# Altium PCB LAB_B3_209_V2.PcbDoc (part 1 of 4)
Units mm, origin at the board's own origin, x right, y up, seen from the top; angles counter-clockwise.
Board outline 94.69 x 88.04 mm, 4 copper layers (L1 [TOP], L2[GND], L3[SIG], L4[BOT]), stack 1.527 mm thick; 372 components, 284 nets, 1235 pads, 485 vias.
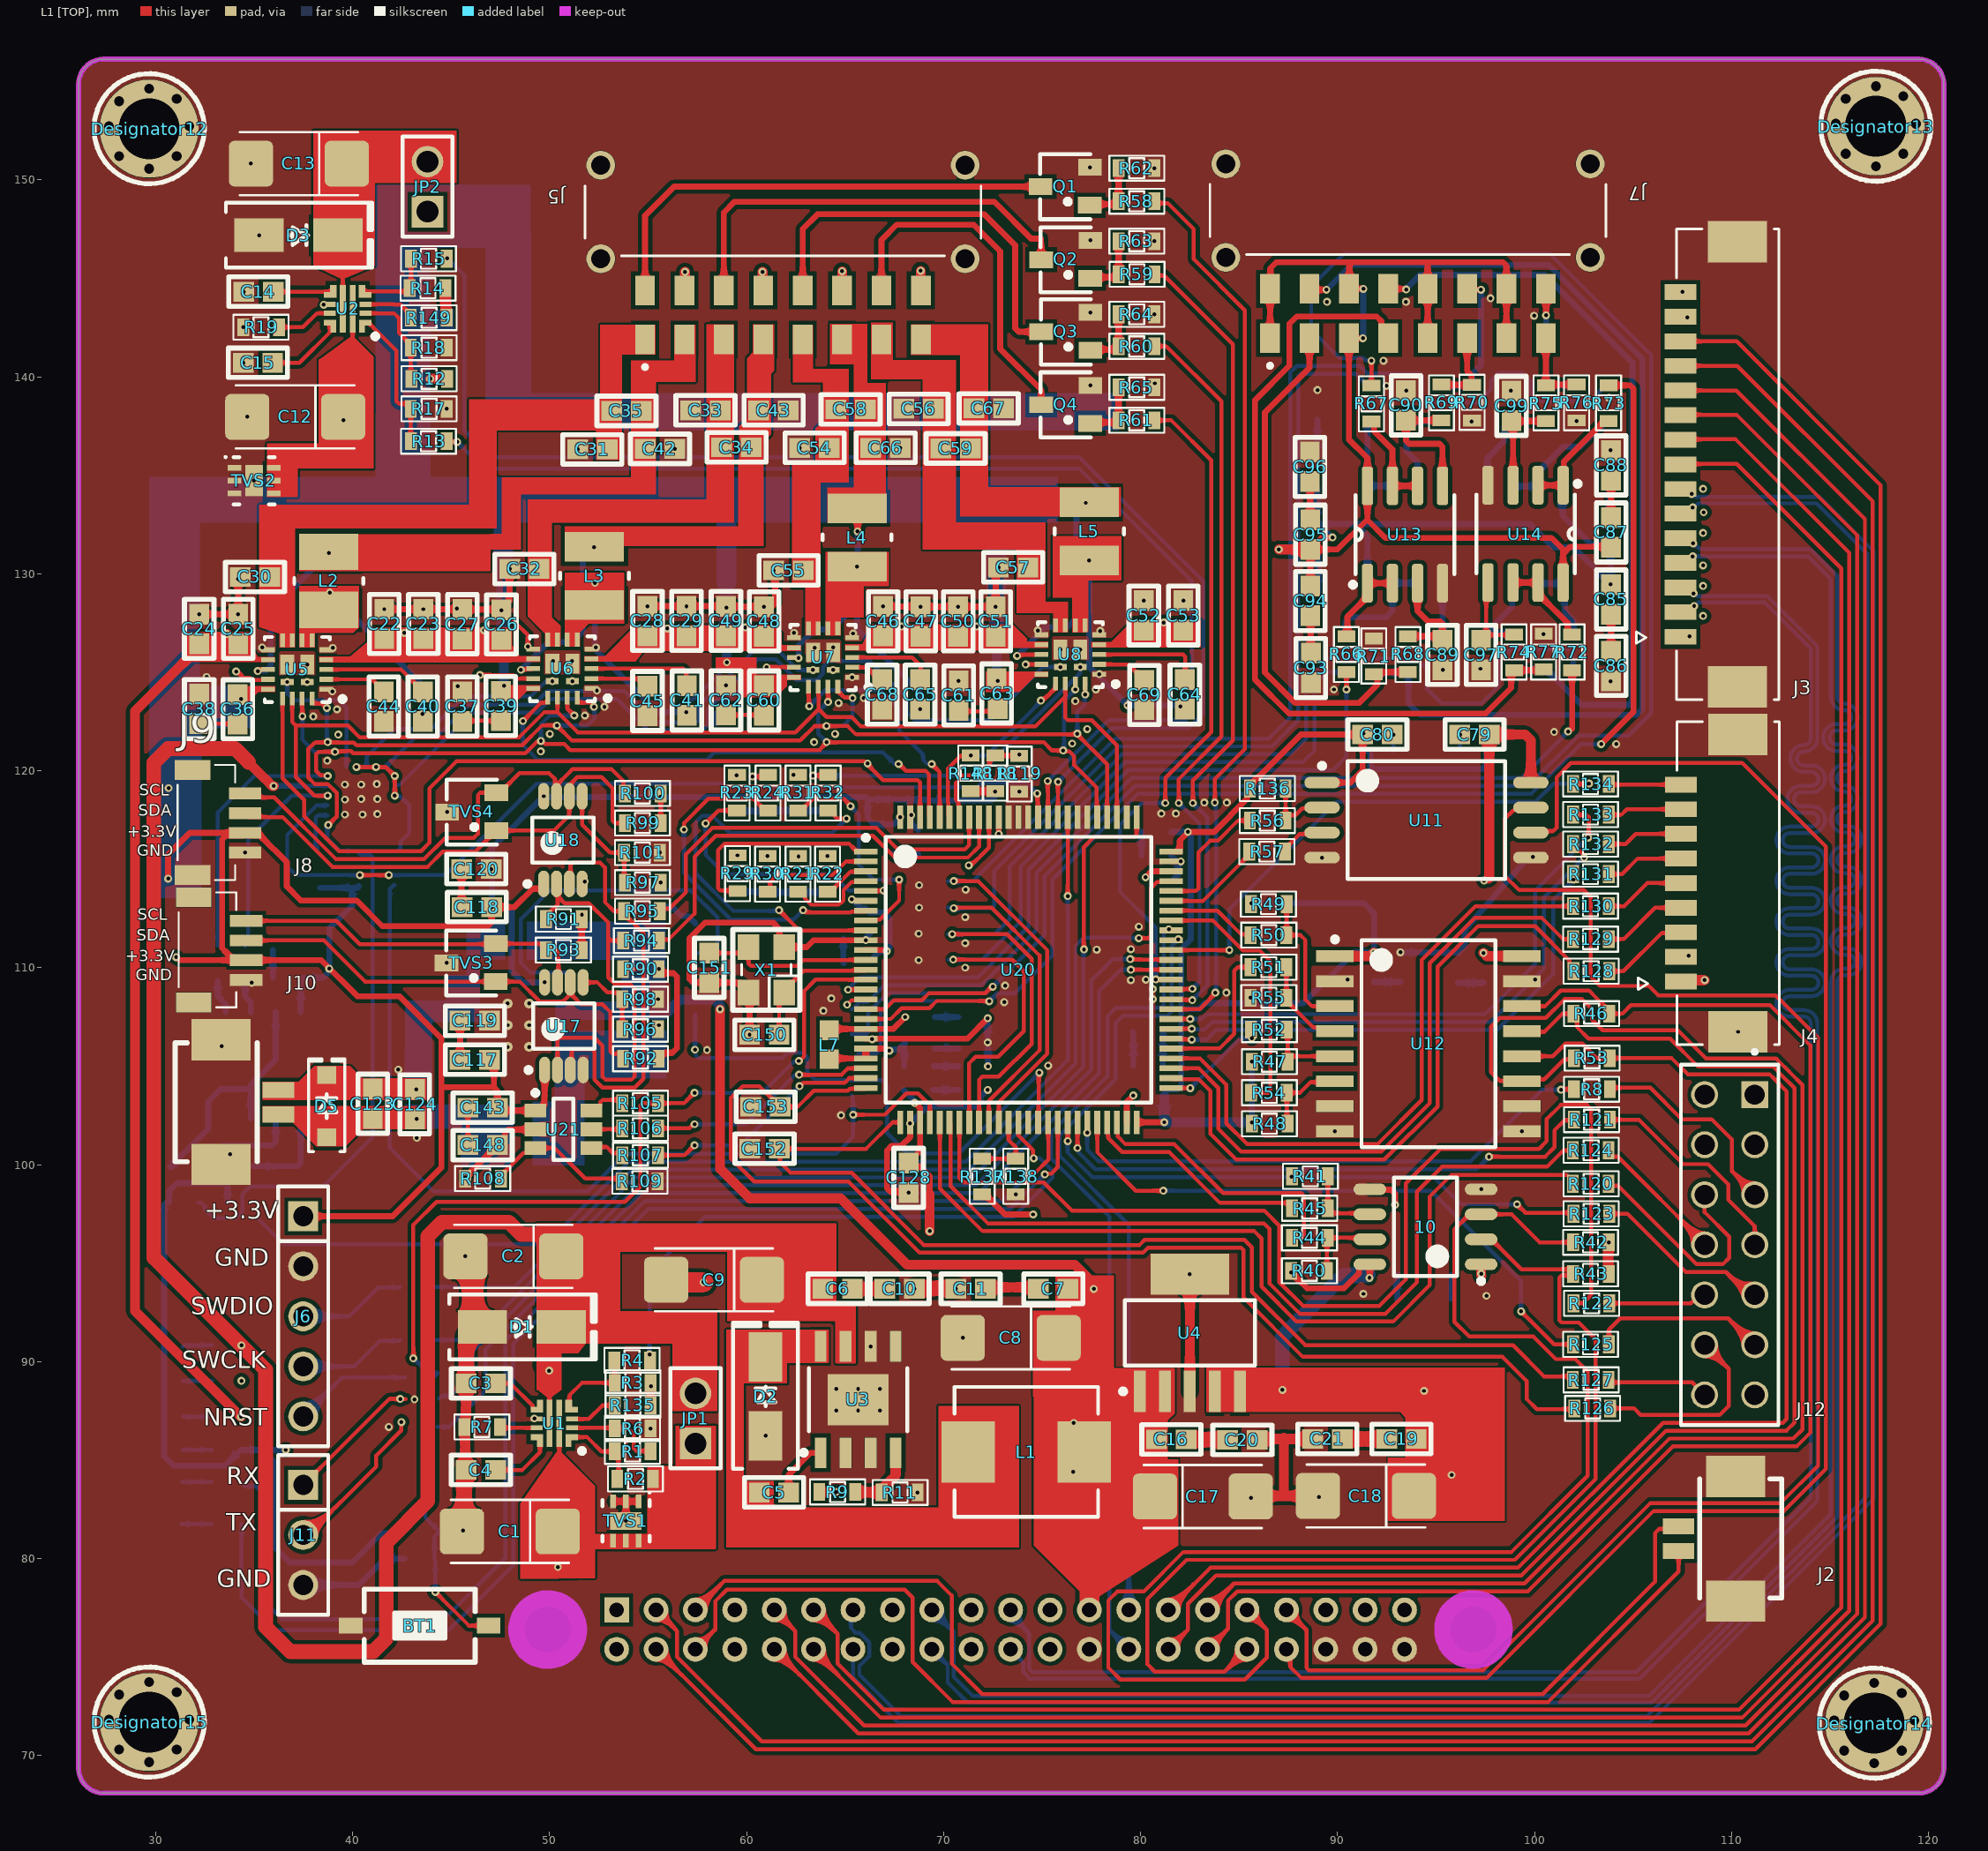
[diagram p0: L1 [TOP] view]
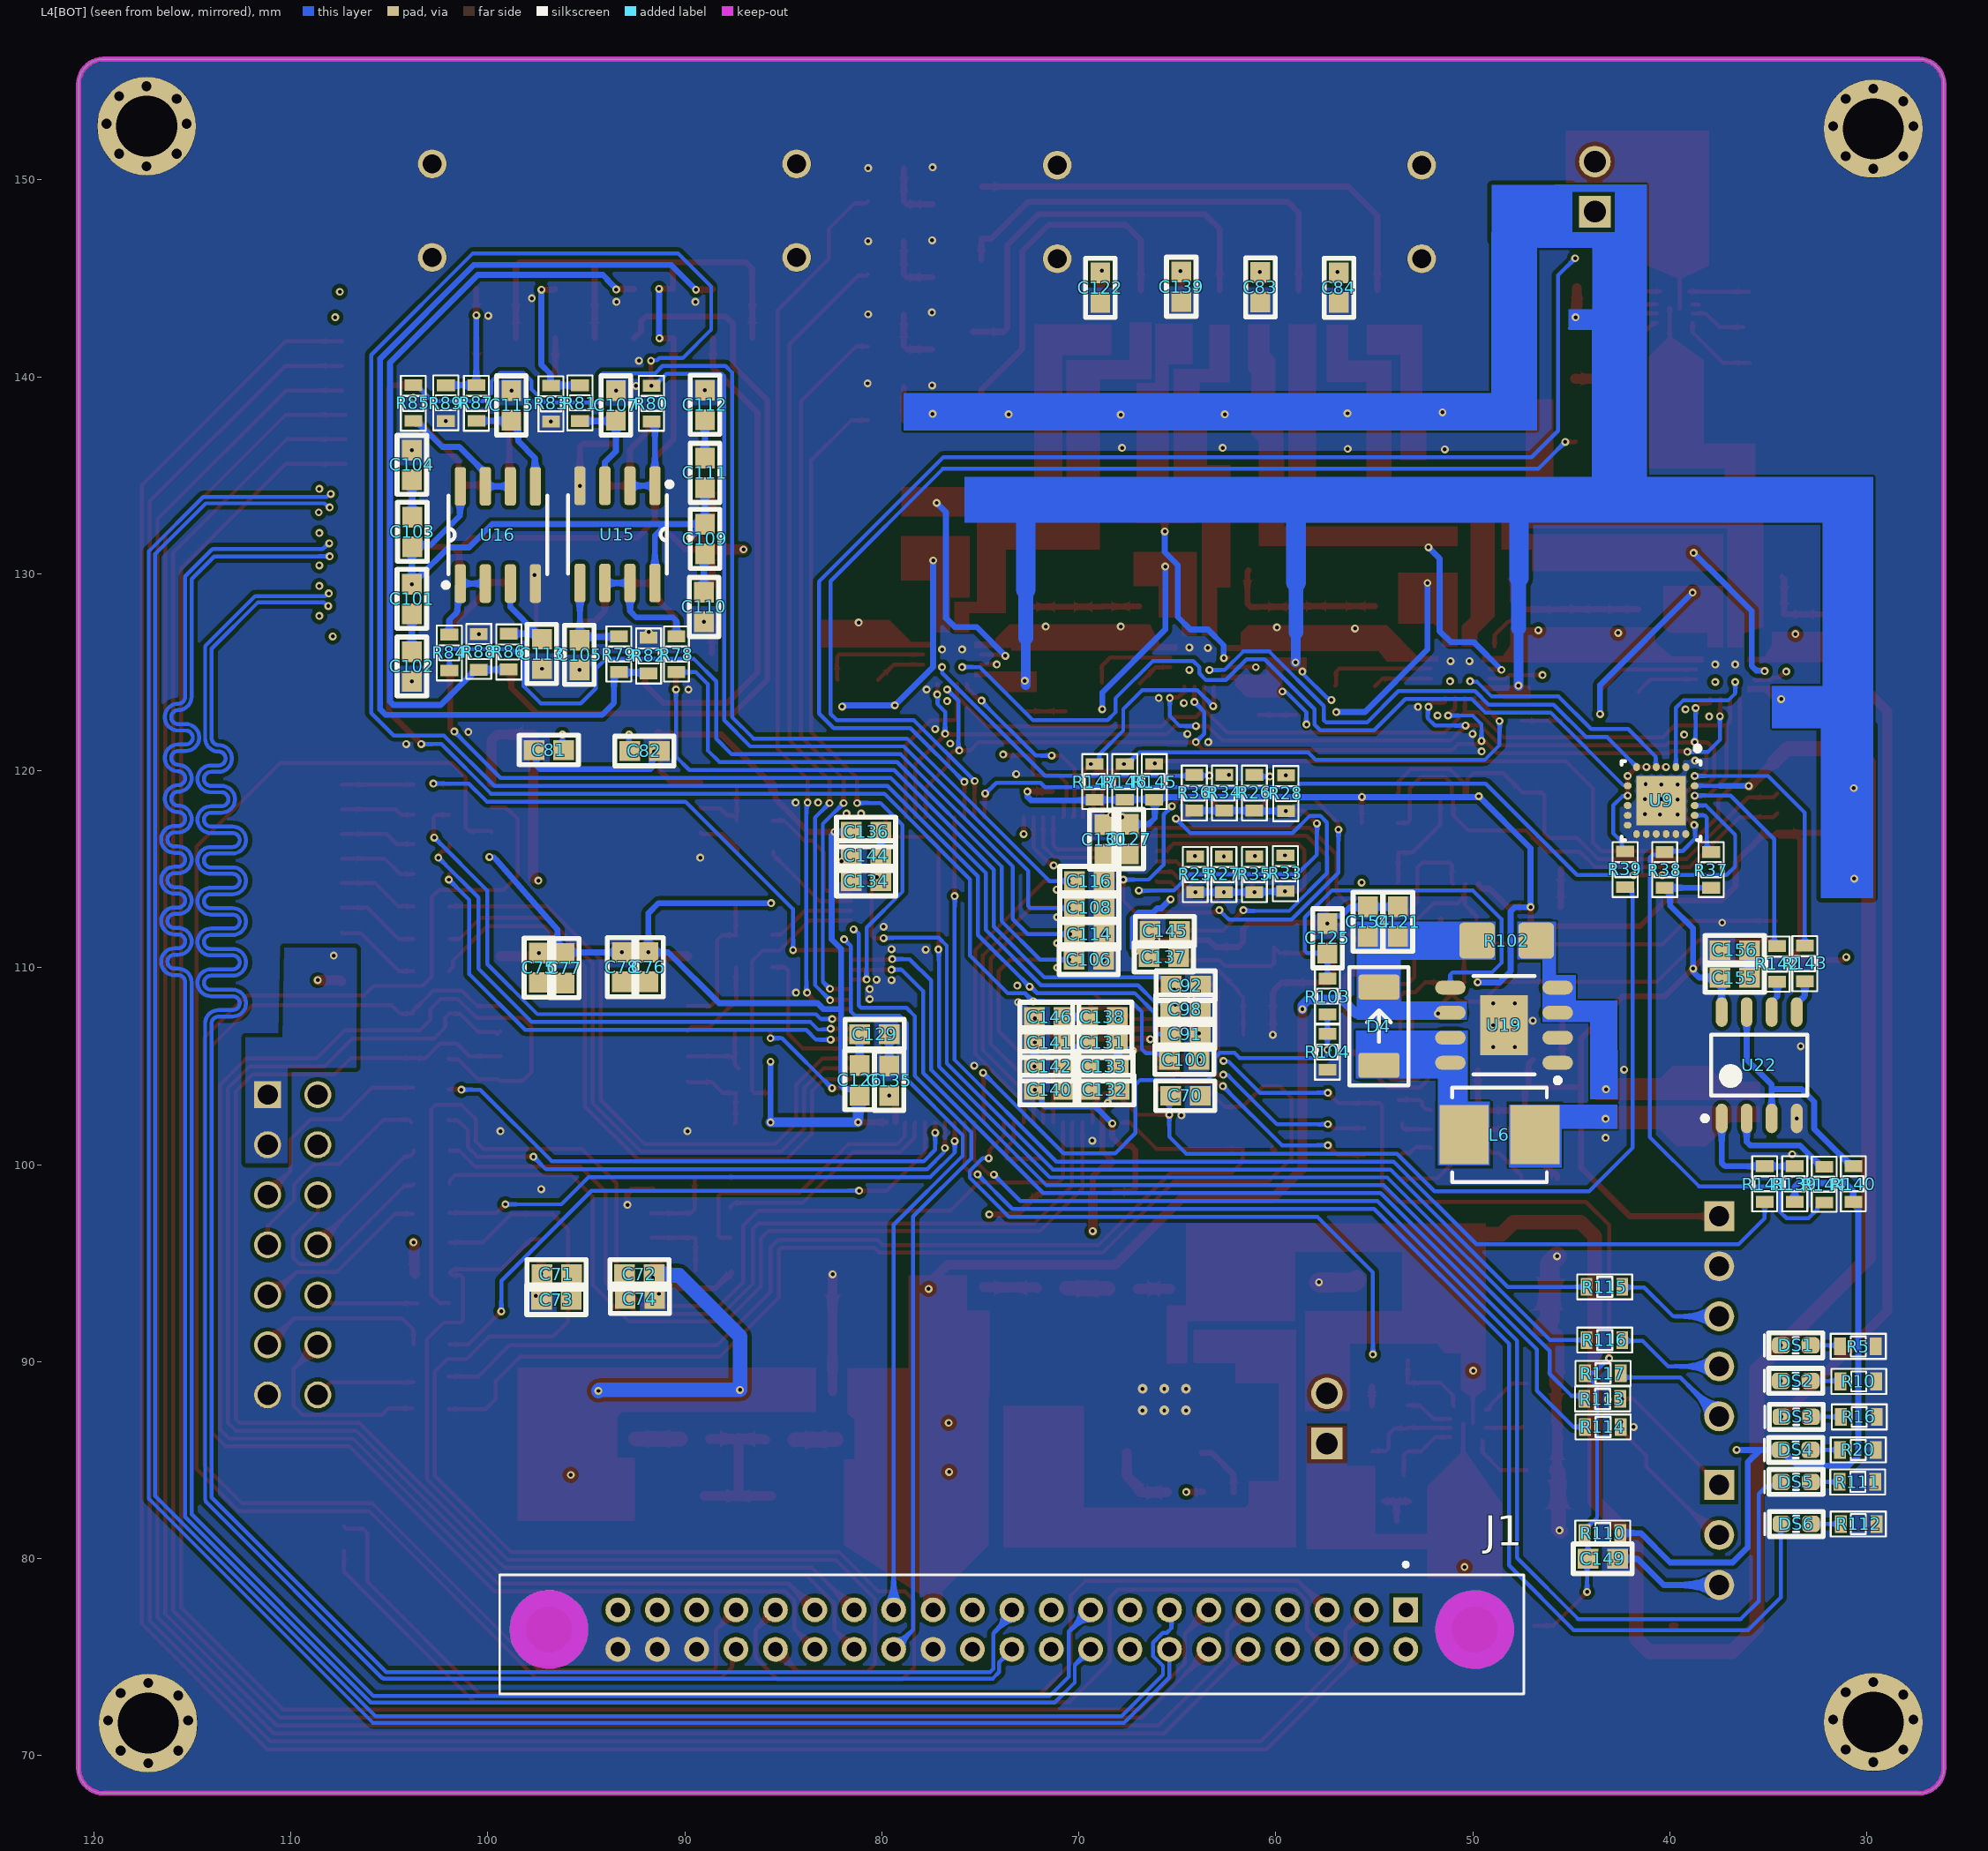
[diagram p1: L4[BOT] view, seen from below]
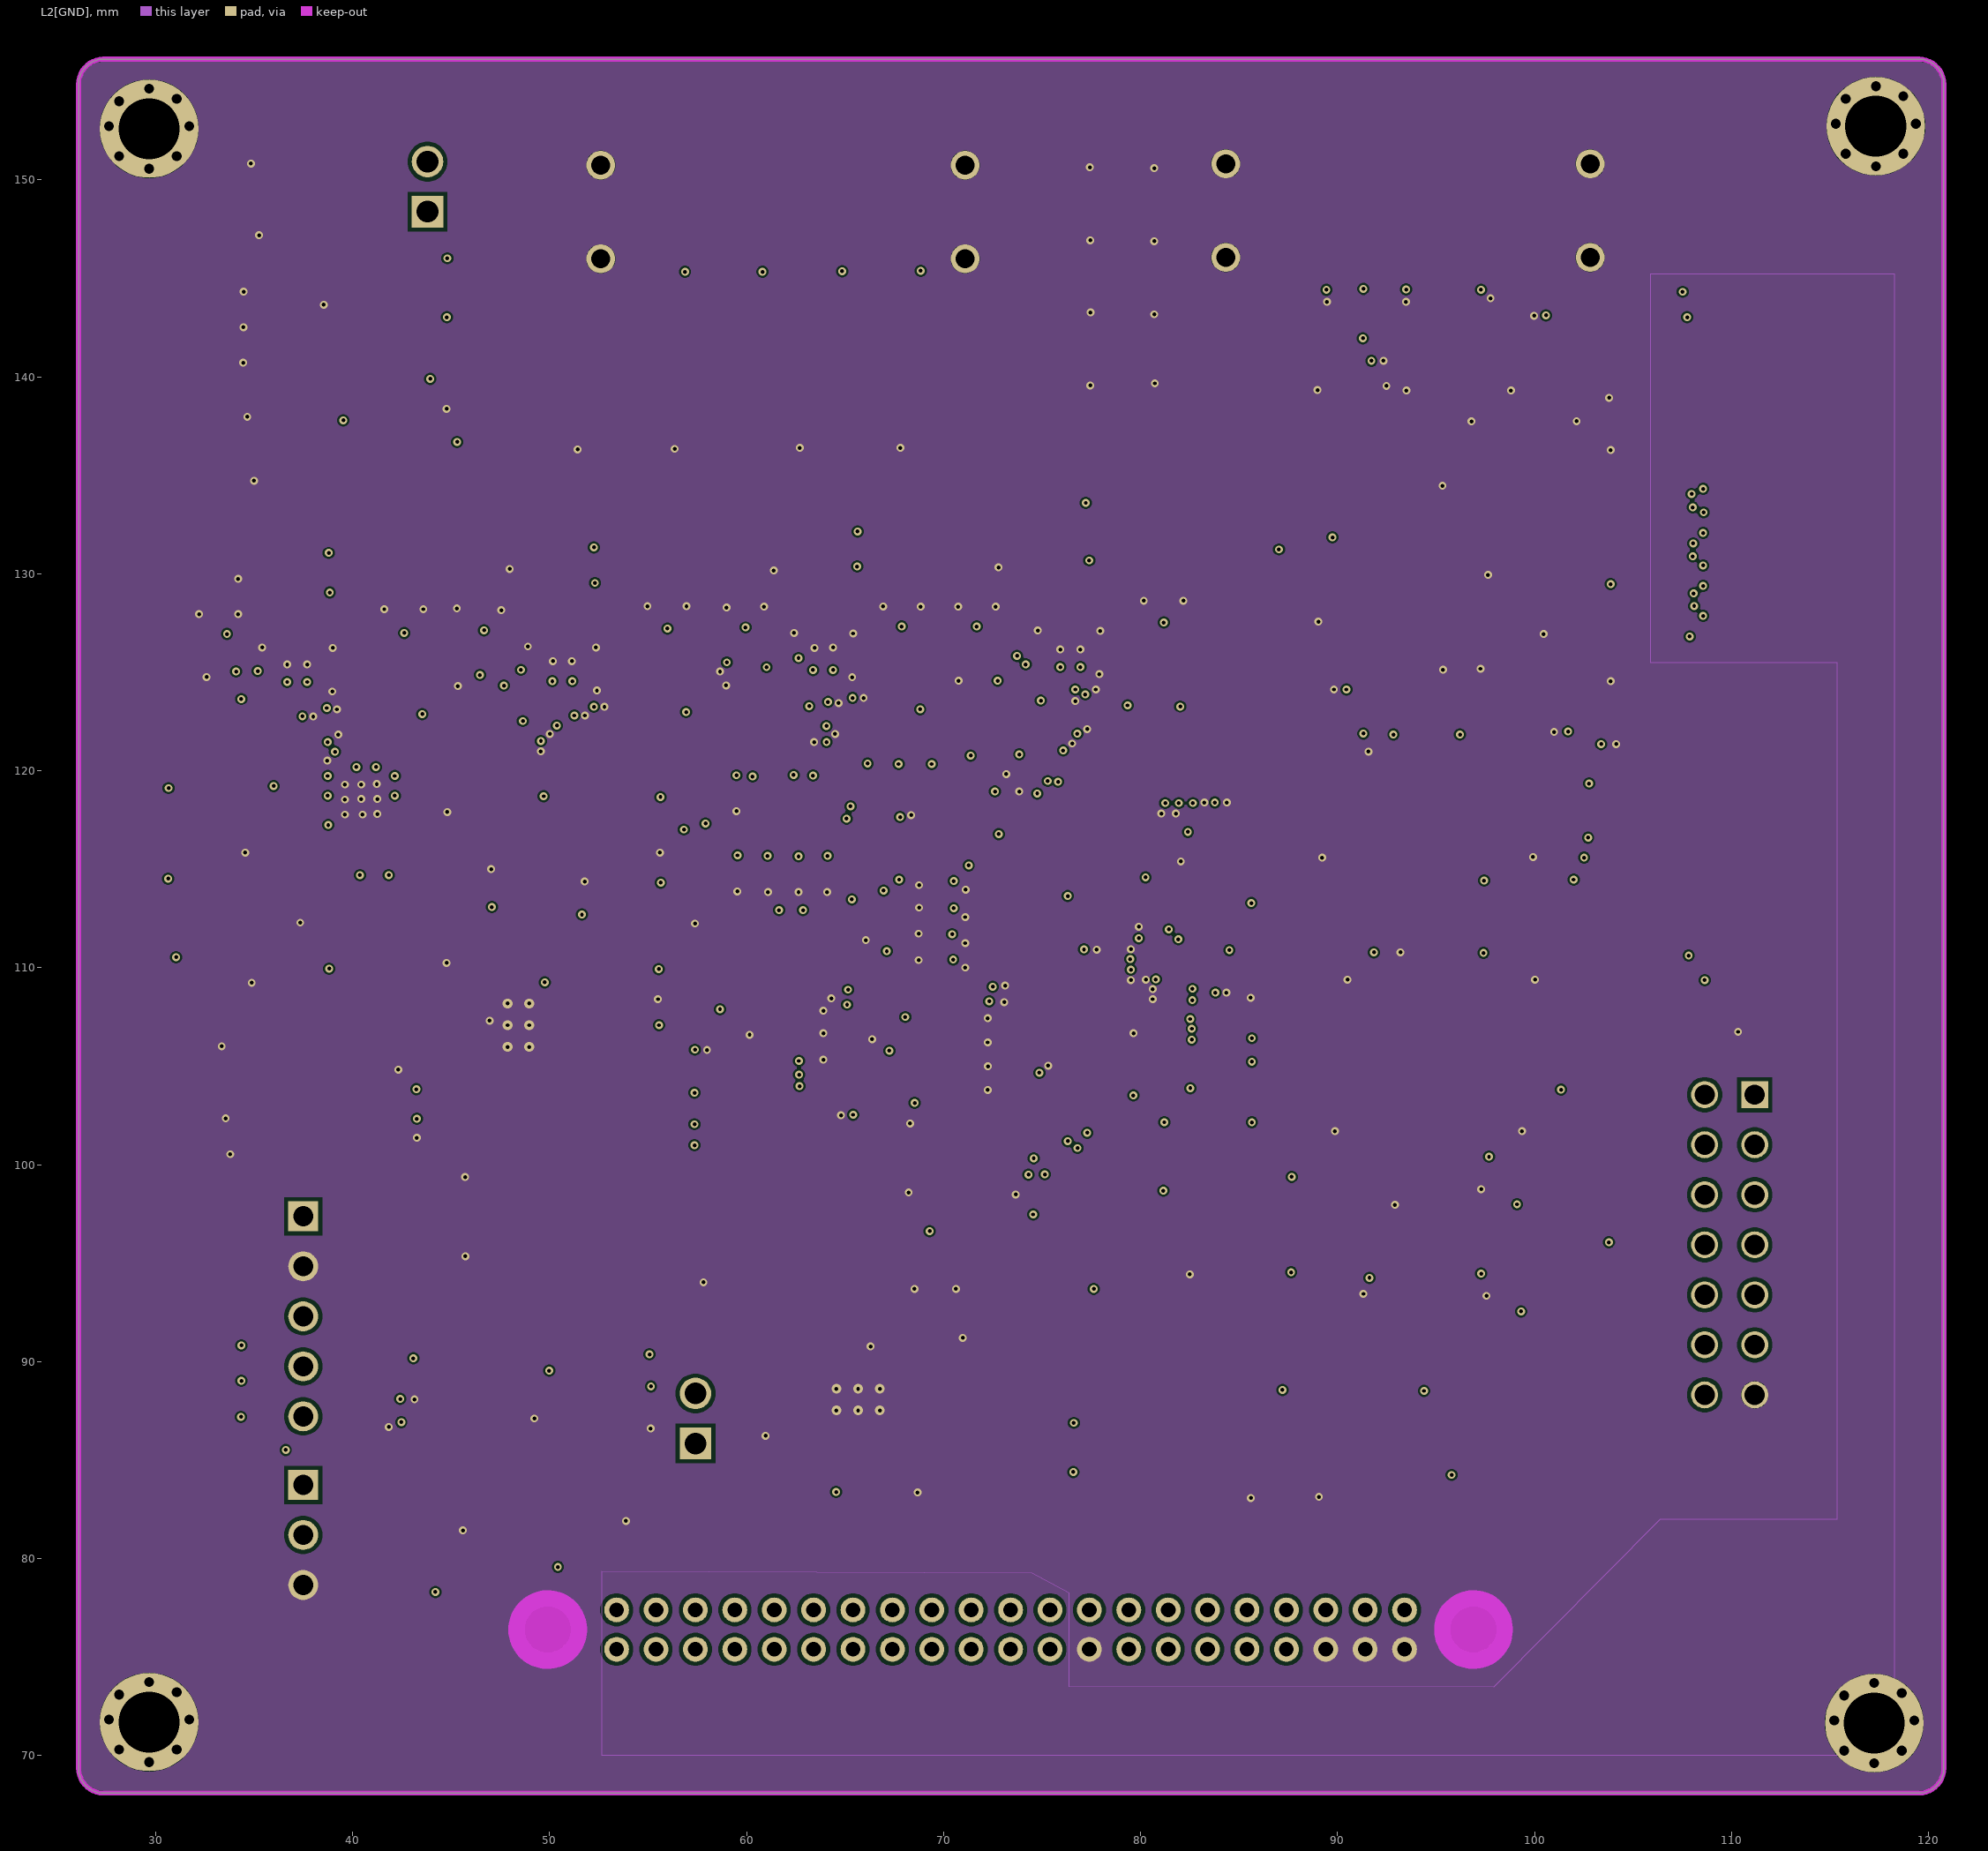
[diagram p2: L2[GND]]